# Altium PCB netv2mvp-testhat-v1-route.PCBDOC (part 1 of 2) (continued)
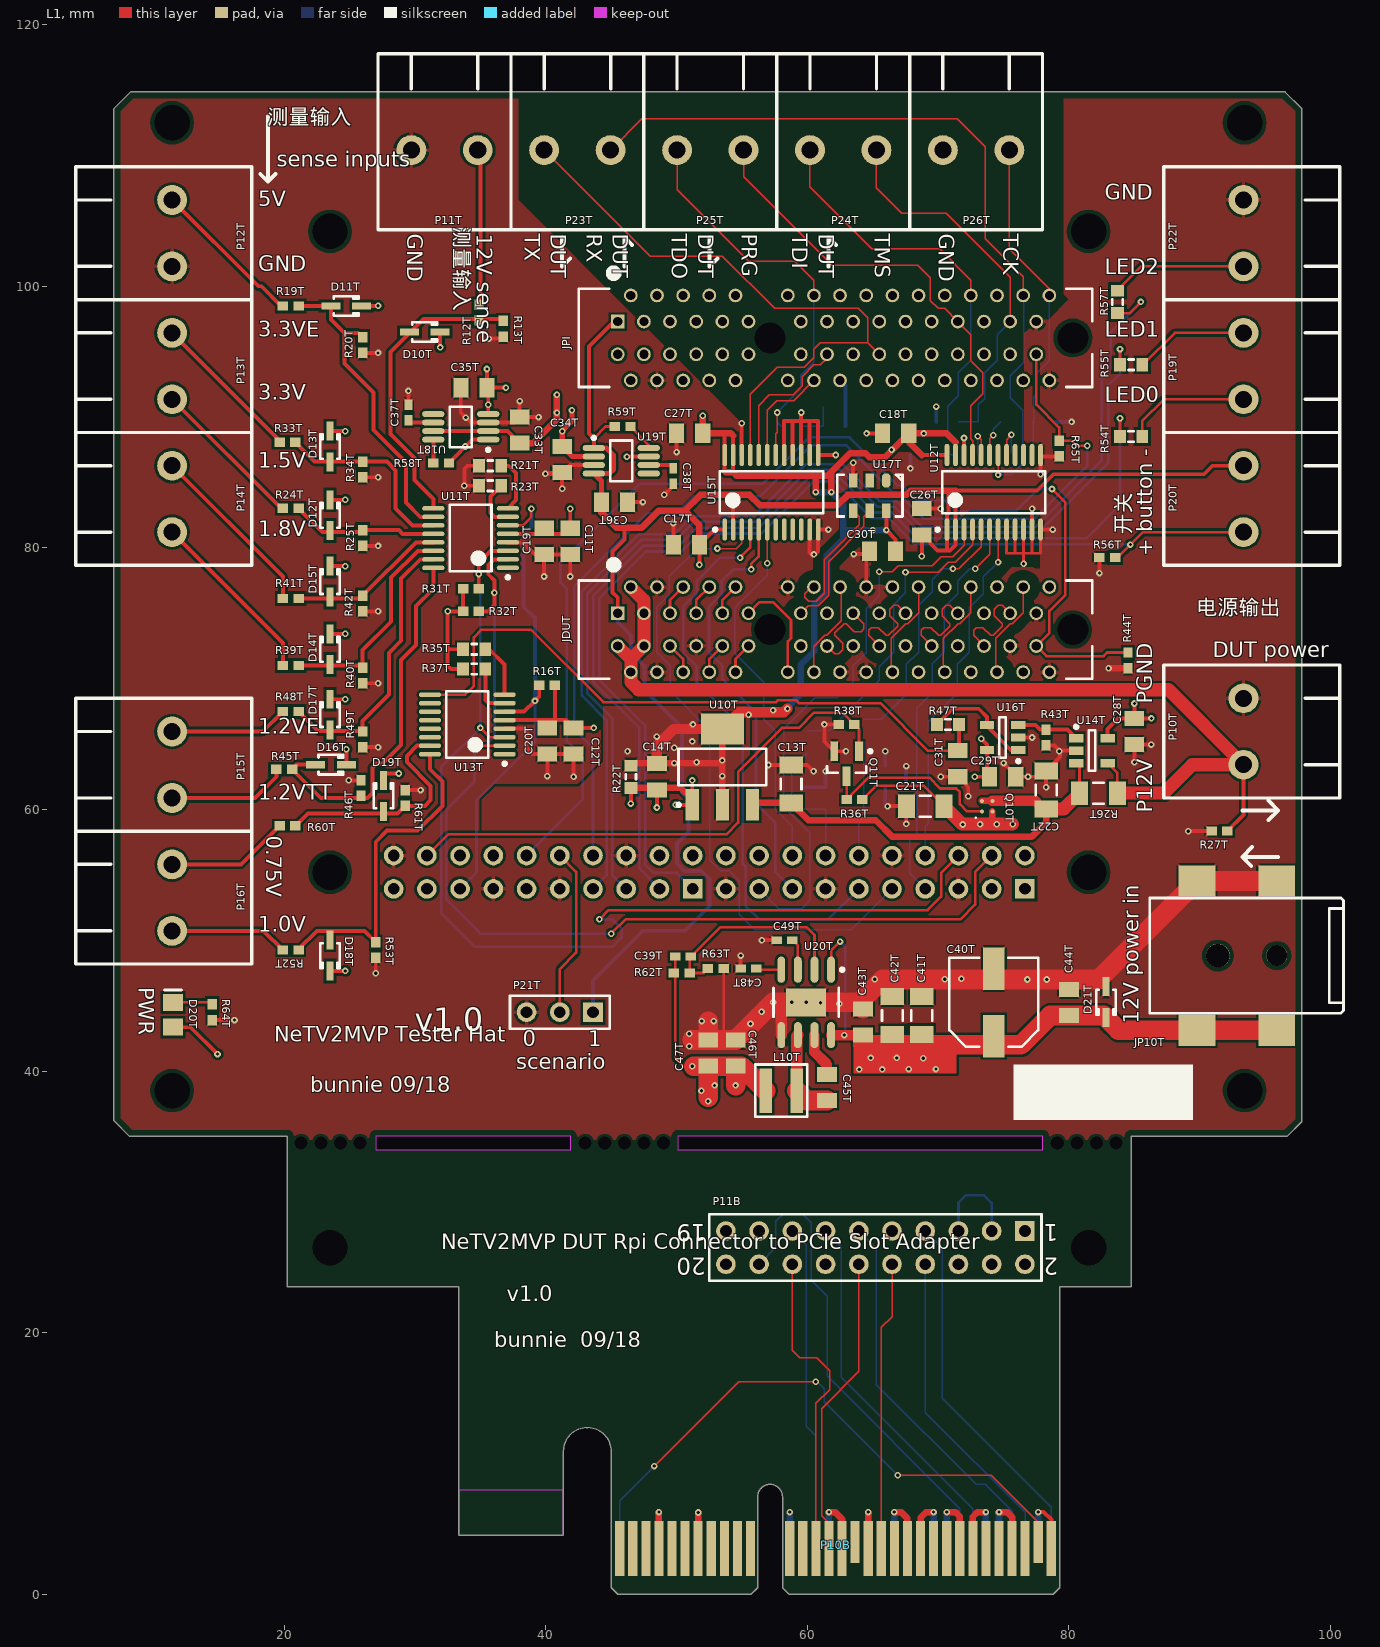
[diagram p0: L1 view]
## Components (designator, comment, footprint, x,y, rotation, side; value= is the part's Value field where it differs from the comment) (continued)
JPI "87715-9106" BTB1-00-2V64 45.5,97.3 r0 top
L10T "3.3uH SRP4030FA-3R3M" COILCRAFT_XEL4030 58,38.5 r180 top
P10B "PCIeX4-GF-2D-1000-1K-O64" PCIeX4-GF-2D-1000-1K-O64 55.15,3.5 r0 top locked
P10T "1716060000" weidmuller_1716060000 93.345,63.42 r90 top
P11B "Male 10x2 2.54mm header" HDR2X10 76.63,27.77 r180 top
P11T "1716060000" weidmuller_1716060000 34.798,110.41 r180 top
P12T "1716060000" weidmuller_1716060000 11.43,106.6 r270 top
P13T "1716060000" weidmuller_1716060000 11.43,96.44 r270 top
P14T "1716060000" weidmuller_1716060000 11.43,86.28 r270 top
P15T "1716060000" weidmuller_1716060000 11.43,65.96 r270 top
P16T "1716060000" weidmuller_1716060000 11.43,55.8 r270 top
P17T "Female 10x2 2.54mm header" HDR2X10 51.23,53.93 r180 bottom
P18T "Female 10x2 2.54mm header" HDR2X10 76.63,53.93 r180 bottom locked
P19T "1716060000" weidmuller_1716060000 93.345,91.36 r90 top
P20T "1716060000" weidmuller_1716060000 93.345,81.2 r90 top
P21T "Male 3x2.54mm header" HDR1X3 43.61,44.5 r180 top
P22T "1716060000" weidmuller_1716060000 93.345,101.52 r90 top
P23T "1716060000" weidmuller_1716060000 44.958,110.41 r180 top
P24T "1716060000" weidmuller_1716060000 65.278,110.41 r180 top
P25T "1716060000" weidmuller_1716060000 55.118,110.41 r180 top
P26T "1716060000" weidmuller_1716060000 75.438,110.41 r180 top
Q10T "Si8425DB" VISHAY_MICRO_FOOT_4_BUMP 73.75,60.25 r90 top
Q11T "BSS138" SOT23-3N 63,63.5 r270 top
R10T "0 ohm" RESC1608N 69.25,65.15 r90 bottom
R11T "75 ohm" RESC1608N 68.4,60 r0 bottom
R12T "10k, 1%" RESC1005N 34.9,98 r270 top
R13T "100k, 1%" RESC1005N 36.75,96.75 r270 top
R14T "0 ohm" RESC1608N 60,65.15 r90 bottom
R15T "0 ohm" RESC1608N 64.3,66.05 r90 bottom
R16T "10k, 1%" RESC1005N 40.1,69.5 r0 top
R17T "75 ohm" RESC1608N 61.39,60.85 r270 bottom
R18T "75 ohm" RESC1608N 65.1,63.35 r180 bottom
R19T "10k, 1%" RESC1005N 20.5,98.5 r0 top
R20T "33k, 1%" RESC1005N 26,95.5 r270 top
R21T "0 ohm" RESC1608N 35.75,86.28 r180 top
R22T "1k, 1%" RESC1608N 46.5,62.5 r270 top value=100k
R23T "0 ohm" RESC1608N 35.75,84.75 r180 top
R24T "10k, 1%" RESC1005N 20.5,83.025 r0 top
R25T "10k, 1%" RESC1005N 26,80.75 r270 top
R26T "470 mOhm 1%" RESC3216N 82.25,61.25 r0 top
R27T "100k, 1%" RESC1005N 91.5,58.34 r180 top
R28T "75 ohm" RESC1608N 72.175,87.1 r0 bottom
R29T "75 ohm" RESC1608N 73.925,89.625 r0 bottom
R30T "75 ohm" RESC1608N 76.425,87.225 r180 bottom
R31T "DNP" RESC1005N 34.275,76.875 r180 top
R32T "DNP" RESC1005N 34.275,75.15 r180 top
R33T "10k, 1%" RESC1005N 20.25,88.07 r0 top
R34T "10k, 1%" RESC1005N 26,86 r270 top
R35T "0 ohm" RESC1608N 34.525,72.25 r180 top
R36T "100k, 1%" RESC1005N 63.6,60.75 r0 top
R37T "0 ohm" RESC1608N 34.525,70.75 r180 top
R38T "100k, 1%" RESC1005N 63,66.5 r180 top
R39T "10k, 1%" RESC1005N 20.5,71 r0 top
R40T "DNP" RESC1005N 26,70.25 r270 top
R41T "10k, 1%" RESC1005N 20.5,76.12 r0 top
R42T "DNP" RESC1005N 26,75.75 r270 top
R43T "16.2k, 1%" RESC1005N 78.25,65.5 r270 top
R44T "10k, 1%" RESC1005N 84.5,71.4 r270 top
R45T "10k, 1%" RESC1005N 20,63.075 r0 top
R46T "DNP" RESC1005N 25.88,61.65 r90 top
R47T "0 ohm" RESC1608N 70.75,66.5 r0 top
R48T "10k, 1%" RESC1005N 20.5,67.5 r0 top
R49T "DNP" RESC1005N 26,65.36 r270 top
R50T "0 ohm" RESC1608N 58.85,89.3 r180 bottom
R51T "75 ohm" RESC1608N 62.05,89.3 r180 bottom
R52T "10k, 1%" RESC1005N 20.5,49.25 r0 top
R53T "DNP" RESC1005N 27,49.25 r270 top
R54T "220 ohm" RESC1608N 84.75,88.525 r180 top
R55T "220 ohm" RESC1608N 84.75,94 r180 top
R56T "10k, 1%" RESC1005N 82.925,79.25 r180 top
R57T "220 ohm" RESC1608N 83.7,98.8 r270 top
R58T "100k, 1%" RESC1005N 32,86.5 r0 top
R59T "100k, 1%" RESC1005N 45.875,89.275 r180 top
R60T "10k, 1%" RESC1005N 20.25,58.75 r0 top
R61T "DNP" RESC1005N 29.25,60.88 r90 top
R62T "124k, 1%" RESC1005N 50.4,47.5 r180 top
R63T "22.1k, 1%" RESC1005N 53,47.83 r180 top
R64T "3.3k, 1%" RESC1005N 14.5,44.5 r270 top value=100k
R65T "10k, 1%" RESC1005N 79.25,87.6 r90 top
U10T "LM1117MP-3.3" MP04A_N 53.5,63.25 r90 top
U11T "ADC128D818CIMT/NOPB" MTC16_N 34.25,80.75 r180 top
U12T "SN74LVC8T245PWR" TSOP65P640-24AN 74.25,84.25 r90 top
U13T "ADC128D818CIMT/NOPB" MTC16_N 34,66.5 r180 top
U14T "INA138NA/250" SOT23-5AN 81.75,64.5 r0 top
U15T "SN74LVC8T245PWR" TSOP65P640-24AN 57.25,84.25 r90 top
U16T "OPA320AIDBVT" TI-DBV5_N 74.93,65.5 r180 top
U17T "Abracon ASFLMPHC-100.000MHZ-L-T" ABRACON_ASFLMP_HC 64.77,84 r180 top
U18T "LP3982IMM-3.3/NOPB" MUA08A_N 33.5,89.25 r180 top
U19T "LP3982IMM-3.3/NOPB" MUA08A_N 45.771,86.655 r0 top
U20T "TPS54327DDA" SOIC127P600-8DN 59.905,45.25 r270 top

## Footprints (in the part's own frame and the unit in brackets; to place one, negate y for a bottom-side part, rotate by r counter-clockwise, add the part's x,y. Pads: shape width x height; smd on the part's side, far side on the other; paste and mask are expansions set on the pad)
ABRACON_ASFLMP_HC [mm] "Abracon Differential Oscillator"
  oct 0.64x1.1 smd: 1(-1.27,-1.15)
  rect 0.64x1.1 smd: 2(0,-1.15) 3(1.27,-1.15) 4(1.27,1.15) 5(0,1.15) 6(-1.27,1.15)
  silkscreen extent -2.5,-1.6 2.5,1.6, body extent -2.5,-1.6 2.5,1.6, height 0.85
BTB1-00-2V64 [mm] "Board-to-Board Connector, PTH, Vertical, Pitch 1.00mm, 64-Position"
  rect 1.05x1.05 hole 0.7: A1(0,0)
  round 1.05 hole 0.7: A2(1,2) A3(2,0) A4(3,2) A5(4,0) A6(5,2) A7(6,0) A8(7,2) A9(8,0) A10(9,2) A11(10,0) A12(13,2) A13(14,0) A14(15,2) A15(16,0) A16(17,2) A17(18,0) A18(19,2) A19(20,0) A20(21,2) A21(22,0) A22(23,2) A23(24,0) A24(25,2) A25(26,0) A26(27,2) A27(28,0) A28(29,2) A29(30,0) A30(31,2) A31(32,0) A32(33,2) B1(0,-2.5) B2(1,-4.5) B3(2,-2.5) B4(3,-4.5) B5(4,-2.5) B6(5,-4.5) B7(6,-2.5) B8(7,-4.5) B9(8,-2.5) B10(9,-4.5) B11(10,-2.5) B12(13,-4.5) B13(14,-2.5) B14(15,-4.5) B15(16,-2.5) B16(17,-4.5) B17(18,-2.5) B18(19,-4.5) B19(20,-2.5) B20(21,-4.5) B21(22,-2.5) B22(23,-4.5) B23(24,-2.5) B24(25,-4.5) B25(26,-2.5) B26(27,-4.5) B27(28,-2.5) B28(29,-4.5) B29(30,-2.5) B30(31,-4.5) B31(32,-2.5) B32(33,-4.5)
  round 2.05 hole 2.35 unplated: MH1(11.65,-1.25) MH2(34.8,-1.25)
  silkscreen extent -2.98,-5 36.27,4, body extent -2.88,-6.35 36.15,2.5, height 11.25
CAPAE7066X61N [mm] "Aluminum Electrolytic Capacitor, Body 6.3mm dia, 5.8mm height, IPC Medium Density"
  rect 3.25x1.65 smd: 1(-2.575,0) 2(2.575,0)
  silkscreen extent -3.4,-3.4 3.4,3.4, body extent -3.4,-3.4 3.4,3.4, height 6.1
CAPC1005N [mm] "Chip Capacitor, Body 1.0x0.5mm, IPC Medium Density"
  rect 0.8x0.6 smd: 1(-0.6,0) 2(0.6,0)
  body extent -0.55,-0.3 0.55,0.3, height 0.6
CAPC2012N [mm] "Chip Capacitor, Body 2.0x1.3mm, IPC Medium Density"
  rect 1.15x1.5 smd: 1(-1,0) 2(1,0)
  body extent -1.1,-0.72 1.1,0.72, height 1.1
CAPC3216N [mm] "Chip Capacitor, Body 3.2x1.6mm, IPC Medium Density"
  rect 1.3x1.8 smd: 1(-1.45,0) 2(1.45,0)
  silkscreen extent -0.4,-0.8 0.4,0.8, body extent -1.7,-0.9 1.7,0.9, height 1.35
CD2012-0805 [mm] "Chip Diode; Body 2.0 x 1.3 mm (LxW typ)"
  rect 1.3x1.5 smd: 1(-0.95,0) 2(0.95,0)
  silkscreen extent 1.9,-0.65 1.9,0.65
COILCRAFT_XEL4030 [mm] "Coilcraft XEL4030"
  rect 0.98x3.4 smd: 1(-1.185,0) 2(1.185,0)
  silkscreen extent -2,-2 2,2, body extent -2,-2 2,2, height 3.1
CUI_PJ_002AH_SMT [mm] "SMT 2.1mmx5.5mm ID (P-5) connector"
  round 1.6 hole 1.6 unplated: 0(-4.5,0)
  round 1.8 hole 1.8 unplated: 0(0,0)
  rect 2.8x2.4 smd: 1(-4.5,5.7) 1(1.6,5.7) 2(-4.5,-5.7) 3(1.6,-5.7)
  silkscreen extent -9.6,-4.4 5.2,4.4, body extent -9.5,-6.3 5.3,6.3, height 11.19
HDR1X3 [mm] "Connector; Header; 3 Position"
  rect 1.5x1.5 hole 0.9: 1(0,0)
  round 1.5 hole 0.9: 2(2.54,0) 3(5.08,0)
  silkscreen extent -1.27,-1.27 6.35,1.27
HDR2X10 [mm] "Connector; Header; 10x2 Position"
  rect 1.5x1.5 hole 0.9: 1(0,0)
  round 1.5 hole 0.9: 2(0,2.54) 3(2.54,0) 4(2.54,2.54) 5(5.08,0) 6(5.08,2.54) 7(7.62,0) 8(7.62,2.54) 9(10.16,0) 10(10.16,2.54) 11(12.7,0) 12(12.7,2.54) 13(15.24,0) 14(15.24,2.54) 15(17.78,0) 16(17.78,2.54) 17(20.32,0) 18(20.32,2.54) 19(22.86,0) 20(22.86,2.54)
  silkscreen extent -1.27,-1.27 24.13,3.81
MP04A_N [mm] "SOT223, 4-Leads, Body 6.5x3.5mm, Pitch 2.3mm, Lead Span 7mm, IPC Medium Density"
  rect 2.4x1 smd: 1(-2.9,2.3) 2(-2.9,0) 3(-2.9,-2.3)
  rect 2.4x3.3 smd: 4(2.9,0)
  silkscreen extent -3.02,-3.35 1.4,3.47, body extent -1.86,-3.35 1.86,3.35, height 1.8
MTC16_N [mm] "TSOP, 16-Leads, Body 5x4.4mm, Pitch 0.65mm, IPC Medium Density"
  oval 1.7x0.35 smd: 1(-2.85,2.275) 2(-2.85,1.625) 3(-2.85,0.975) 4(-2.85,0.325) 5(-2.85,-0.325) 6(-2.85,-0.975) 7(-2.85,-1.625) 8(-2.85,-2.275) 9(2.85,-2.275) 10(2.85,-1.625) 11(2.85,-0.975) 12(2.85,-0.325) 13(2.85,0.325) 14(2.85,0.975) 15(2.85,1.625) 16(2.85,2.275)
  silkscreen extent -2.98,-2.55 1.6,3.12, body extent -2.25,-2.55 2.25,2.55, height 1.1
MUA08A_N [mm] "TSOP, 8-Leads, Body 3x3mm, Pitch 0.65mm, IPC Medium Density"
  oval 1.7x0.45 smd: 1(-2.1,0.975) 2(-2.1,0.325) 3(-2.1,-0.325) 4(-2.1,-0.975) 5(2.1,-0.975) 6(2.1,-0.325) 7(2.1,0.325) 8(2.1,0.975)
  silkscreen extent -2.23,-1.55 0.85,1.87, body extent -1.55,-1.55 1.55,1.55, height 1.09
PCIeX4-GF-2D-1000-1K-O64 [mm] "Golden finger, PCIeX4, Dual, Opposite, Pitch 1mm, 64-Position"
  rect 0.7x3.2 smd far side: A1(-9.5,0.5)
  rect 0.7x4.2 smd far side: A2(-8.5,0) A3(-7.5,0) A4(-6.5,0) A5(-5.5,0) A6(-4.5,0) A7(-3.5,0) A8(-2.5,0) A9(-1.5,0) A10(-0.5,0) A11(0.5,0) A12(3.5,0) A13(4.5,0) A14(5.5,0) A15(6.5,0) A16(7.5,0) A17(8.5,0) A18(9.5,0) A19(10.5,0) A20(11.5,0) A21(12.5,0) A22(13.5,0) A23(14.5,0) A24(15.5,0) A25(16.5,0) A26(17.5,0) A27(18.5,0) A28(19.5,0) A29(20.5,0) A30(21.5,0) A31(22.5,0) A32(23.5,0)
  rect 0.7x4.2 smd: B1(-9.5,0) B2(-8.5,0) B3(-7.5,0) B4(-6.5,0) B5(-5.5,0) B6(-4.5,0) B7(-3.5,0) B8(-2.5,0) B9(-1.5,0) B10(-0.5,0) B11(0.5,0) B12(3.5,0) B13(4.5,0) B14(5.5,0) B15(6.5,0) B16(7.5,0) B18(9.5,0) B19(10.5,0) B20(11.5,0) B21(12.5,0) B22(13.5,0) B23(14.5,0) B24(15.5,0) B25(16.5,0) B26(17.5,0) B27(18.5,0) B28(19.5,0) B29(20.5,0) B30(21.5,0) B32(23.5,0)
  rect 0.7x3.2 smd: B17(8.5,0.5) B31(22.5,0.5)
RESC1005N [mm] "Chip Resistor, Body 1.1x0.5mm, IPC Medium Density"
  rect 0.8x0.7 smd: 1(-0.6,0) 2(0.6,0)
  body extent -0.55,-0.3 0.55,0.3, height 0.4
RESC1608N [mm] "Chip Resistor, Body 1.6x0.8mm, IPC Medium Density"
  rect 0.9x1 smd: 1(-0.85,0) 2(0.85,0)
  silkscreen extent -0.2,-0.4 0.2,0.4, body extent -0.85,-0.48 0.85,0.48, height 0.6
RESC3216N [mm] "Chip Resistor, Body 3.2x1.6mm, IPC Medium Density"
  rect 1.3x1.8 smd: 1(-1.45,0) 2(1.45,0)
  silkscreen extent -0.4,-0.8 0.4,0.8, body extent -1.68,-0.87 1.68,0.87, height 0.71
SOD-323 [mm] "SOD-323/SC-76; 2 Leads; Body 1.7 x 1.3 mm, (LxW)"
  rect 1.45x0.55 smd: 1(1.175,0) 2(-1.175,0)
  silkscreen extent -0.95,-0.75 0.95,0.75
SOIC127P600-8DN [mm] "8-Pin Small Outline Integrated Circuit 1.27 mm Pitch"
  oval 2x0.6 smd: 1(-2.5,1.905) 2(-2.5,0.635) 3(-2.5,-0.635) 4(-2.5,-1.905) 5(2.5,-1.905) 6(2.5,-0.635) 7(2.5,0.635) 8(2.5,1.905)
  rect 2.15x3.05 smd: 9(0,0)
  silkscreen extent -2.62,-2.5 1.1,2.88, body extent -2,-2.5 2,2.5, height 1.55
SOT23-3N [mm] "SOT23, 3-Leads, Body 2.9x1.3mm, Pitch 0.95mm, Lead Span 2.5mm, IPC Medium Density"
  rect 1.5x0.6 smd: 1(-0.95,0.95) 2(-0.95,-0.95) 3(0.95,0)
  silkscreen extent -1.07,-1.5 0.7,1.93, body extent -0.7,-1.5 0.7,1.5, height 1.1
SOT23-5AN [mm] "SOT23, 5-Leads, Body 2.9x1.6mm, Pitch 0.95mm, Lead Span 2.8mm, IPC Medium Density"
  rect 1.1x0.65 smd mask+0.075: 1(-1.2,0.95) 2(-1.2,0) 3(-1.2,-0.95) 4(1.2,-0.95) 5(1.2,0.95)
  silkscreen extent -1.32,-1.55 0.25,1.95, body extent -0.9,-1.55 0.9,1.55, height 1.45
TI-DBV5_N [mm] "SOT23, 5-Leads, Body 2.9x1.6mm, Pitch 0.95mm, IPC Medium Density"
  rect 1.1x0.6 smd: 1(-1.2,0.95) 2(-1.2,0) 3(-1.2,-0.95) 4(1.2,-0.95) 5(1.2,0.95)
  silkscreen extent -1.33,-1.55 0.25,1.92, body extent -0.87,-1.52 0.87,1.53, height 1.45
TSOP65P640-24AN [mm] "TSOP, 24-Leads, Body 7.8x4.4mm, Pitch 0.65mm, IPC Medium Density"
  oval 1.7x0.35 smd: 1(-2.85,3.575) 2(-2.85,2.925) 3(-2.85,2.275) 4(-2.85,1.625) 5(-2.85,0.975) 6(-2.85,0.325) 7(-2.85,-0.325) 8(-2.85,-0.975) 9(-2.85,-1.625) 10(-2.85,-2.275) 11(-2.85,-2.925) 12(-2.85,-3.575) 13(2.85,-3.575) 14(2.85,-2.925) 15(2.85,-2.275) 16(2.85,-1.625) 17(2.85,-0.975) 18(2.85,-0.325) 19(2.85,0.325) 20(2.85,0.975) 21(2.85,1.625) 22(2.85,2.275) 23(2.85,2.925) 24(2.85,3.575)
  silkscreen extent -2.97,-3.95 1.6,4.42, body extent -2.25,-3.95 2.25,3.95, height 1.1
VISHAY_MICRO_FOOT_4_BUMP [mm] "BGA, 4-Leads, Body 1.56x1.56mmx0.60mm, Pitch 0.80mm"
  round 0.31 smd mask+0.07: 1(-0.4,0.4) 2(0.4,0.4) 3(0.4,-0.4) 4(-0.4,-0.4)
  silkscreen extent -0.93,0.83 -0.84,0.93, body extent -0.78,-0.78 0.78,0.78, height 0.6
weidmuller_1716060000 [mil]
  round 90 hole 51.18: 1(0,0) 2(200,0)
  silkscreen extent -100,-290 300,240

## Part data
C10T C15T C16T C23T C24T C25T C32T R10T R11T R12T R13T R14T R15T R16T R17T R18T R19T R20T R21T R22T R23T R24T R25T R27T R28T R29T R30T R31T R32T R33T R34T R35T R36T R37T R38T R39T R40T R41T R42T R43T R44T R45T R46T R47T R48T R49T R50T R51T R52T R53T R54T R55T R56T R57T R58T R59T R60T R61T R62T R63T R65T: library part Res1, "Resistor", MPN=ANY, VENDOR=ANY
  C10T C15T C16T C23T C24T C25T C32T R31T R32T R40T R42T R46T R49T R53T R61T: MYPN=DNP
  R10T R14T R15T R21T R23T R35T R37T R47T R50T: MYPN=R-0R0-1P-1_16W-0603
  R11T R17T R18T R28T R29T R30T R51T: MYPN=R-750-1P-1_16W-0603
  R12T R19T R24T R25T R33T R34T R39T R41T R44T R45T R48T R52T R56T R60T R65T: MYPN=R-103-1P-1_16W-0402
  R13T R27T R36T R38T R58T R59T: MYPN=R-104-1P-1_16W-0402
  R16T R20T: MYPN=R-333-1P-1_16W-0402
  R22T: LatestRevisionDate=17-Jul-2002, LatestRevisionNote="Re-released for DXP Platform.", MYPN=R-102-1P-1_16W-0402, PackageReference=AXIAL-0.3, Published=8-Jun-2000, Publisher="Altium Limited"
  R43T: MYPN=R-1622-1P-1_16W-0402
  R54T R55T R57T: MYPN=R-221-1P-1_16W-0603
  R62T: MYPN=R-1243-1P-1_16W-0402
  R63T: MYPN=R-2212-1P-1_16W-0402
C11T C17T C18T C19T C26T C27T C28T C29T C30T C43T C44T C45T: library part "Cap Semi", "Capacitor (Semiconductor SIM Model)", MPN=CL21B104KBCNNWC, MYPN=C-104-50-X7R-0805, VENDOR=Samsung
C12T C14T C20T C33T C34T C35T C36T: library part "Cap Semi", "Capacitor (Semiconductor SIM Model)", MPN=CL21A106KPCLQNC, MYPN=C-106-10-X5R-0805, VENDOR=Samsung
C13T C21T C22T C41T C42T: library part "Cap Semi", "Capacitor (Semiconductor SIM Model)", MPN=CL31A106KBHNNNE, MYPN=C-106-50-X5R-1206, VENDOR=Samsung
C31T: library part "Cap Semi", "Capacitor (Semiconductor SIM Model)", MPN=DNP, MYPN=DNP, VENDOR=None
C37T C38T: library part "Cap Semi", "Capacitor (Semiconductor SIM Model)", MPN=CL05B333KO5NNNC, MYPN=C-333-16-X7R-0402, VENDOR=Samsung
C39T: library part "Cap Semi", "Capacitor (Semiconductor SIM Model)", MPN=GCM1555C1H100JA16D, MYPN=C-100-50-NP0-0402, VENDOR=Murata
C40T: library part "Cap Pol1", "Polarized Capacitor (Radial)", MPN=UCL1E470MCL1GS, MYPN=C-476-25-UCL-6.3x5.8, VENDOR=Nichicon
C46T C47T: library part "Cap Semi", "Capacitor (Semiconductor SIM Model)", MPN=GRM21BR61A226ME51L, LatestRevisionDate=17-Jul-2002, LatestRevisionNote="Re-released for DXP Platform.", MFG=Murata, MYPN=C-226-10-X5R-0805, PackageReference=C1206, Published=8-Jun-2000, Publisher="Altium Limited"
C48T: library part "Cap Semi", "Capacitor (Semiconductor SIM Model)", MPN=CL05B332KA5NNNC, MYPN=C-332-25-X7R-0402, VENDOR=Samsung
C49T: library part "Cap Semi", "Capacitor (Semiconductor SIM Model)", MPN=ANY, MYPN=C-105-6p3-X5R-0402, VENDOR=ANY
D10T D11T D12T D13T D14T D15T D16T D17T D18T D19T: library part "D Schottky", "Schottky Diode", MPN=NSR0530H-D, MYPN=D-S-0p5-30-0p37-SOD323, Revision="July-2002: Re-released for DXP Platform.", VENDOR="Semtech HK LTD"
D20T: library part LED2, "Typical RED, GREEN, YELLOW, AMBER GaAs LED", MPN=CB-2012QWC-P8, MYPN=D-LED-WHITE1-0805, VENDOR=CITYBRIGHT
D21T: library part BIDIR_ESD, "Bidirectional zener diode, Vz 17.1V nom", MPN=PESD24VS1UA,115, MYPN=U-PESD24VL1BA,115, VENDOR=NXP
JDUT JPI: library part CMP-0001-00127-1, "Board-to-Board Connector, PTH, Vertical, Pitch 1.00mm, 64-Position", MPN=0877159106, Package Reference=BTB1-00-2V64, ClassName="Board Template Connector", Datasheet Version=Jul-2007, Mating Connector=PCIeX4-GF-2D-1000-1K-O64, MYPN=J-PCIEx4-F, Publisher=Altium
  JDUT: VENDOR=Molex
  JPI: VENDOR=MOLEX
JP10T: library part PWR2.5, "Low Voltage Power Supply Connector", MPN=DC-480-2.0A-SMT, Datasheet="Latest Revision: 09-May-2002", MYPN=J-PJ-002AH-SMT-TR, Published=17-Dec-2003, Publisher="Altium Limited", VENDOR=KAWEEI
L10T: library part "Inductor Iron", "Magnetic-Core Inductor", MPN=XEL4030-332ME_, MYPN=L-XEL4030-332ME_, VENDOR=COILCRAFT
P10B: library part CMP-0001-00031-1, "Golden finger, PCIeX4, Dual, Opposite, Pitch 1mm, 64-Position", ClassName="Edge Connector", Datasheet Version="rev2.0, Apr-2007", Mating Connector=Molex-87715-9106, Package Reference=PCIeX4-GF-2D-1000-1K-O64, Publisher=Altium
P10T P11T P12T P13T P14T P15T P16T P19T P20T P22T P23T P24T P25T P26T: library part "Header 2", "Header, 2-Pin", LatestRevisionDate=17-Jul-2002, LatestRevisionNote="Re-released for DXP Platform.", MPN=1716060000, MYPN=J-TB-2P-5.08, Publisher="Altium Limited", VENDOR=Weidmuller
P11B: library part "Header 10X2", "Header, 10-Pin, Dual row", MPN=CP25412-020-G116-A, LatestRevisionDate=17-Jul-2002, LatestRevisionNote="Re-released for DXP Platform.", MYPN=J-2x20-2.54-MALE, Publisher="Altium Limited", VENDOR=KAWAEEI
P17T P18T: library part "Header 10X2", "Header, 10-Pin, Dual row", MPN=F201-SGP-D048-20-P4, LatestRevisionDate=17-Jul-2002, LatestRevisionNote="Re-released for DXP Platform.", MYPN=ESW-110-44-L-D, Publisher="Altium Limited", VENDOR=KAWAEEI
P21T: library part "Header 3", "Header, 3-Pin", MPN=CP25411-03G-S116-X, LatestRevisionDate=17-Jul-2002, LatestRevisionNote="Re-released for DXP Platform.", MYPN=H-M3P-2.54-1R-6MM, Publisher="Altium Limited", VENDOR=KAWEEI
Q10T: "P-channel 20V 6.2A 27mOhm @ -2.5V", MPN=Si8425DB-T1-E1, MYPN=QSi8525, VENDOR="Vishay Siliconix"
Q11T: library part MOSFET-N, "N-Channel MOSFET", MPN=BSS138LT1G, LatestRevisionDate=17-Jul-2002, LatestRevisionNote="Re-released for DXP Platform.", MYPN=Q-BSS138LT1G, PackageReference=E3, PackageVersion=1995/1996, Published=8-Jun-2000, Publisher="Altium Limited", VENDOR="ON Semiconductor"
R26T: library part Res1, "Resistor", MPN=RL1206FR-7W0R47L, MYPN=R-0R470-1P-1_4W-1206, VENDOR=Yageo
R64T: library part Res1, "Resistor", MPN=RS02U332FT, LatestRevisionDate=17-Jul-2002, LatestRevisionNote="Re-released for DXP Platform.", MYPN=R-332-1P-1_16W-0402, PackageReference=AXIAL-0.3, Published=8-Jun-2000, Publisher="Altium Limited", VENDOR=Fenghua
U10T: "800mA Low-Dropout Linear Regulator, 4-pin SOT-223", Manufacturer="National Semiconductor", PackageTopMarking=XYTT*N05A, PowerWise=N, Code_IPC=SOT223-4, Code_JEDEC=TO-261-AA, ComponentLink1Description="Manufacturer URL", ComponentLink1URL=http://www.national.com/, ComponentLink2Description="LM1117 Datasheet", ComponentLink2URL=http://www.national.com/ds/LM/LM1117.pdf, ComponentLink3Description="LM1117 Web Page", ComponentLink3URL=http://www.national.com/pf/LM/LM1117.html, ComponentLink4Description="MP04A Package Page", ComponentLink4URL=http://www.national.com/packaging/folders/mp04a.html, CompType="LDO IC", DatasheetVersion=Apr-2006, High-Reliability=Y, MPN=LM1117MP-3.3, MYPN=U-LM1117MP-3.3, PackageDescription="Molded SOT-223, 6.50 x 3.56 x 1.6mm Body, 4 Lead, 2.3mm Pitch", PackageReference=MP04A, PackageVersion="revB, Apr-2003", PartNumber=LM1117MP-3.3, PinCount=4, RoHS=N, VENDOR=TI
U11T U13T: "12-Bit, 8-Channel, ADC System Monitor with Temperature Sensor, Internal/External Reference, and I2C Interface, 16 pin TSSOP, Pb-Free", Manufacturer="National Semiconductor", PackageTopMarking=NSUZXYTT*128D818*CIMT, PowerWise=N, Code_JEDEC=MO-153-AB, ComponentLink1Description="ADC128D818 Datasheet", ComponentLink1URL=http://www.national.com/ds/AD/ADC128D818.pdf, ComponentLink2Description="ADC128D818 Web Page", ComponentLink2URL=http://www.national.com/pf/AD/ADC128D818.html, ComponentLink3Description="MTC16 Package Page", ComponentLink3URL=http://www.national.com/packaging/folders/mtc16.html, CompType="ADC IC", DatasheetVersion=Feb-2010, High-Reliability=Y, MPN=ADC128D818CIMT/NOPB, MYPN=U-ADC128D818CIMT/NOPB, PackageDescription="Molded TSSOP, Jedec, 5 x 4.4 x 0.9mm Body, 16 Lead, 0.65mm Pitch", PackageReference=MTC16, PackageVersion="revD, Jun-2003", PartNumber=ADC128D818CIMT/NOPB, PinCount=16, RoHS=Y, VENDOR=TI
U12T: "8-bit dual-supply transceiver", MPN=SN74LVC8T245PW, MYPN=U-SN74LVC8T245, VENDOR=TI
U14T: "High-side measurement current shunt monitor", MPN=INA138NA/250, MYPN=U-INA138NA/250, VENDOR=TI
U15T: "8-bit dual-supply transceiver"
U16T: "Precision, 20 MHz, 0.9 pA Ib, RRIO, CMOS Operational Amplifier, 1.8 to 5.5 V, -40 to 125 degC, 5-pin SOT23 (DBV5), Green (RoHS & no Sb/Br)", Manufacturer="Texas Instruments", Supplier Part Number 1=296-29510-2-ND, Total Supply Voltage(Max)(+5V is 5, +/-5V is 10)=5.5, Total Supply Voltage(Min)(+5V is 5, +/-5V is 10)=1.8, CMRR(Min)(dB)=100, Code_JEDEC=MO-178, ComponentLink1Description="Manufacturer URL", ComponentLink1URL=http://www.ti.com/, ComponentLink2Description=Datasheet, ComponentLink2URL=http://www.ti.com/general/docs/lit/getliterature.tsp?genericPartNumber=OPA320&fileType=pdf, ComponentLink3Description="Package Specification", ComponentLink3URL=http://www.ti.com/litv/pdf/mpds018i, DatasheetVersion=SBOS513D, Eco-Plan="Green (RoHS & no Sb/Br)", IIB(Max)(pA)=0.9, Iq per channel(Max)(mA)=1.75, Mounting Technology="Surface Mount", MPN=OPA320AIDBVT, MYPN=U-OPA320AIDBVT, Number of Channels=2, Offset Drift(Typ)(uV/C)=1.5, PackageDescription="5-Pin Plastic Small Outline, Body 1.6 x 2.9 mm, Pitch 0.95 mm", PackageReference=DBV5, PackageVersion="4073253-4/K, 03/2006", PartNumber=OPA320AIDBVT, Slew Rate(Typ)(V/us)=10, Sub Family="High Output Current Amplifier (>=50mA), Low Input Bias Current Amp (<=10pA), Low Noise Amp (<=10nV/rtHz), Low Offset Voltage Amplifier (<=500uV), Low Supply Voltage Amplifier (<=2.7V), Precision Amplifier", Supplier 1=Digi-Key, Supplier 2=Digi-Key, Supplier 3=Digi-Key, Supplier 4=Farnell, Supplier 5=Newark, Supplier 6=Newark, Supplier 7=Mouser, Supplier Part Number 2=296-29510-1-ND, Supplier Part Number 3=296-29510-6-ND, Supplier Part Number 4=2057093, Supplier Part Number 5=64T3763, Supplier Part Number 6=64T3764, Supplier Part Number 7=595-OPA320AIDBVT, VENDOR=TI, Vio (25C)(Max)(mV)=0.15, Vn at 1kHz(Typ)(nV/rtHz)=8.5
U17T: library part HCSL-OSC, "Abracon Plastic Package Ultra Miniature Pure Silicon Clock Oscillator", MPN=ASFLMPHC-100.000MHZ-L-T, MYPN=X-ASFLMPHC-100MHz, VENDOR=Abracon
U18T U19T: "Micropower, Ultra Low-Dropout, Low-Noise, 300mA CMOS Regulator, 8-pin Mini SOIC, Pb-Free", Manufacturer="National Semiconductor", PackageTopMarking=ZXTT*LEUB, PowerWise=N, Code_JEDEC=MO-187-AA, ComponentLink1Description="Manufacturer URL", ComponentLink1URL=http://www.national.com/, ComponentLink2Description="LP3982 Datasheet", ComponentLink2URL=http://www.national.com/ds/LP/LP3982.pdf, ComponentLink3Description="LP3982 Web Page", ComponentLink3URL=http://www.national.com/pf/LP/LP3982.html, ComponentLink4Description="MUA08A Package Page", ComponentLink4URL=http://www.national.com/packaging/folders/mua08a.html, CompType="LDO IC", DatasheetVersion=Mar-2006, High-Reliability=Y, MPN=LP3982IMM-3.3/NOPB, MYPN=ULP3982IMM-3.3/NOPB, PackageDescription="MINI SOIC, .118 x .118 x .034in, 8 Lead, .0256in Pitch", PackageReference=MUA08A, PackageVersion="revF, Apr-2008", PartNumber=LP3982IMM-3.3/NOPB, PinCount=8, RoHS=Y, VENDOR=TI
U20T: "3-A Output Single Synchronous Step-Down Buck with Integrated FET", MPN=TPS54327DDA(R), MYPN=U-TPS54327DDA, VENDOR=TI

## Free pads (board coordinates)
  round 2.5 hole 2.7 unplated mask+1.5: 0(11.43,38.5) 0(11.43,112.5) 0(23.5,26.5) 0(23.5,55.2) 0(23.5,104.2) 0(81.5,26.5) 0(81.5,55.2) 0(93.43,38.5) 0(93.43,112.5)
  round 2.5 hole 2.7 unplated mask+1.3: 0(81.5,104.2)
  round 0.8 hole 1: 1(21.3,34.5) 1(43.01,34.5) 1(79.1,34.5) 2(22.8,34.5) 2(44.51,34.5) 2(80.6,34.5) 3(24.3,34.5) 3(46.01,34.5) 3(82.1,34.5) 4(25.8,34.5) 4(47.51,34.5) 4(48.985,34.5) 4(83.6,34.5)
  rect 2.489x0.051 on Bottom Overlay: 1(34.164,65.802) 1(34.164,65.853) 1(34.164,65.903) 1(36.45,68.189) 1(70.664,10.632) 1(70.664,10.683) 1(70.664,10.733) 1(72.95,13.019)
  rect 2.54x0.051 on Bottom Overlay: 1(34.189,65.548) 1(34.189,65.649) 1(34.189,65.7) 1(34.189,65.751) 1(34.189,65.954) 1(34.189,66.056) 1(34.189,66.107) 1(34.189,66.157) 1(34.189,65.599) 1(34.189,66.005) 1(34.291,66.361) 1(38.609,66.361) 1(38.711,65.599) 1(38.711,65.649) 1(38.711,65.7) 1(38.711,65.751) 1(38.711,65.802) 1(38.711,65.853) 1(38.711,65.903) 1(38.711,65.954) 1(38.711,66.005) 1(38.711,66.056) 1(38.711,66.107) 1(38.711,66.157) 1(70.689,10.378) 1(70.689,10.479) 1(70.689,10.53) 1(70.689,10.581) 1(70.689,10.784) 1(70.689,10.886) 1(70.689,10.937) 1(70.689,10.987) 1(70.689,10.429) 1(70.689,10.835) 1(70.791,11.191) 1(75.109,11.191) 1(75.211,10.429) 1(75.211,10.479) 1(75.211,10.53) 1(75.211,10.581) 1(75.211,10.632) 1(75.211,10.683) 1(75.211,10.733) 1(75.211,10.784) 1(75.211,10.835) 1(75.211,10.886) 1(75.211,10.937) 1(75.211,10.987)
  rect 2.591x0.051 on Bottom Overlay: 1(34.215,65.497) 1(34.215,66.208) 1(34.215,66.259) 1(34.215,66.31) 1(34.215,65.446) 1(34.266,65.395) 1(38.634,65.395) 1(38.685,65.446) 1(38.685,66.208) 1(38.685,65.497) 1(38.685,65.548) 1(38.685,66.259) 1(70.715,10.327) 1(70.715,11.038) 1(70.715,11.089) 1(70.715,11.14) 1(70.715,10.276) 1(70.766,10.225) 1(75.134,10.225) 1(75.185,10.276) 1(75.185,11.038) 1(75.185,10.327) 1(75.185,10.378) 1(75.185,11.089)
  rect 0.102x0.051 on Bottom Overlay: 1(34.291,68.647) 1(35.358,63.414) 1(37.542,63.414) 1(38.609,68.647) 1(70.791,13.477) 1(71.858,8.244) 1(74.042,8.244) 1(75.109,13.477)
  rect 0.254x0.051 on Bottom Overlay: 1(34.316,63.16) 1(34.316,68.596) 1(35.332,63.465) 1(37.568,63.465) 1(38.584,63.16) 1(38.584,68.596) 1(70.816,7.99) 1(70.816,13.426) 1(71.832,8.295) 1(74.068,8.295) 1(75.084,7.99) 1(75.084,13.426)
  rect 0.356x0.051 on Bottom Overlay: 1(34.316,63.211) 1(34.316,68.545) 1(35.282,63.516) 1(37.618,63.516) 1(38.584,68.545) 1(70.816,8.041) 1(70.816,13.375) 1(71.782,8.346) 1(74.118,8.346) 1(75.084,13.375)
  rect 0.152x0.051 on Bottom Overlay: 1(34.316,63.109) 1(38.584,63.109) 1(70.816,7.939) 1(75.084,7.939)
  rect 0.457x0.051 on Bottom Overlay: 1(34.316,68.494) 1(70.816,13.324)
  rect 0.508x0.051 on Bottom Overlay: 1(34.342,63.262) 1(38.558,63.262) 1(38.558,68.494) 1(70.842,8.092) 1(75.058,8.092) 1(75.058,13.324)
  rect 0.61x0.051 on Bottom Overlay: 1(34.342,63.313) 1(34.342,68.443) 1(38.558,68.443) 1(70.842,8.143) 1(70.842,13.273) 1(75.058,13.273)
  rect 0.711x0.051 on Bottom Overlay: 1(34.342,68.393) 1(70.842,13.223)
  rect 0.762x0.051 on Bottom Overlay: 1(34.367,63.363) 1(38.533,63.363) 1(38.533,68.393) 1(70.867,8.193) 1(75.033,8.193) 1(75.033,13.223)
  rect 0.864x0.051 on Bottom Overlay: 1(34.367,63.414) 1(34.367,68.342) 1(36.45,69.409) 1(38.533,63.414) 1(38.533,68.342) 1(70.867,8.244) 1(70.867,13.172) 1(72.95,14.239) 1(75.033,8.244) 1(75.033,13.172)
  rect 0.965x0.051 on Bottom Overlay: 1(34.367,68.291) 1(36.45,69.256) 1(36.45,69.307) 1(36.45,69.358) 1(38.533,68.291) 1(70.867,13.121) 1(72.95,14.086) 1(72.95,14.137) 1(72.95,14.188) 1(75.033,13.121)
  rect 1.016x0.051 on Bottom Overlay: 1(34.393,63.465) 1(36.425,69.205) 1(38.507,63.465) 1(70.893,8.295) 1(72.925,14.035) 1(75.007,8.295)
  rect 2.337x0.051 on Bottom Overlay: 1(34.393,65.345) 1(35.155,66.869) 1(38.507,65.345) 1(70.893,10.175) 1(71.655,11.699) 1(75.007,10.175)
  rect 1.219x0.051 on Bottom Overlay: 1(34.393,68.189) 1(36.425,68.647) 1(38.507,68.189) 1(70.893,13.019) 1(72.925,13.477) 1(75.007,13.019)
  rect 1.118x0.051 on Bottom Overlay: 1(34.393,68.24) 1(34.393,63.516) 1(36.425,68.901) 1(38.507,68.24) 1(38.507,63.516) 1(70.893,13.07) 1(70.893,8.346) 1(72.925,13.731) 1(75.007,13.07) 1(75.007,8.346)
  rect 2.286x0.051 on Bottom Overlay: 1(34.418,66.411) 1(37.72,66.869) 1(38.431,66.411) 1(70.918,11.241) 1(74.22,11.699) 1(74.931,11.241)
  rect 2.134x0.051 on Bottom Overlay: 1(34.545,65.294) 1(35.053,66.818) 1(37.847,66.818) 1(38.355,65.294) 1(71.045,10.124) 1(71.553,11.648) 1(74.347,11.648) 1(74.855,10.124)
  rect 1.829x0.051 on Bottom Overlay: 1(34.596,63.668) 1(34.697,63.922) 1(34.748,64.024) 1(34.748,65.192) 1(34.748,66.513) 1(34.799,65.141) 1(34.799,66.564) 1(35.002,64.583) 1(35.002,64.633) 1(37.898,64.583) 1(37.898,64.633) 1(38.05,66.615) 1(38.101,64.075) 1(38.101,65.141) 1(38.101,65.192) 1(38.101,66.564) 1(38.152,63.973) 1(38.152,64.024) 1(38.152,66.513) 1(38.203,63.922) 1(38.304,63.668) 1(71.096,8.498) 1(71.197,8.752) 1(71.248,8.854) 1(71.248,10.022) 1(71.248,11.343) 1(71.299,9.971) 1(71.299,11.394) 1(71.502,9.413) 1(71.502,9.463) 1(74.398,9.413) 1(74.398,9.463) 1(74.55,11.445) 1(74.601,8.905) 1(74.601,9.971) 1(74.601,10.022) 1(74.601,11.394) 1(74.652,8.803) 1(74.652,8.854) 1(74.652,11.343) 1(74.703,8.752) 1(74.804,8.498)
  rect 1.93x0.051 on Bottom Overlay: 1(34.596,63.719) 1(34.901,65.04) 1(34.901,66.716) 1(35.002,64.786) 1(35.002,64.735) 1(37.898,64.735) 1(37.898,64.786) 1(37.999,66.716) 1(37.999,65.04) 1(38.05,65.091) 1(38.304,63.719) 1(71.096,8.549) 1(71.401,9.87) 1(71.401,11.546) 1(71.502,9.616) 1(71.502,9.565) 1(74.398,9.565) 1(74.398,9.616) 1(74.499,11.546) 1(74.499,9.87) 1(74.55,9.921) 1(74.804,8.549)
  rect 2.032x0.051 on Bottom Overlay: 1(34.596,66.462) 1(34.951,64.938) 1(35.002,64.837) 1(35.002,64.887) 1(37.898,64.837) 1(37.898,64.887) 1(37.898,64.938) 1(38.304,66.462) 1(71.096,11.292) 1(71.451,9.768) 1(71.502,9.667) 1(71.502,9.717) 1(74.398,9.667) 1(74.398,9.717) 1(74.398,9.768) 1(74.804,11.292)
  rect 1.778x0.051 on Bottom Overlay: 1(34.621,63.617) 1(34.774,64.075) 1(34.824,64.125) 1(34.824,64.176) 1(34.875,64.227) 1(34.926,64.329) 1(37.974,64.329) 1(38.025,64.227) 1(38.076,64.125) 1(38.076,64.176) 1(38.279,63.617) 1(71.121,8.447) 1(71.274,8.905) 1(71.324,8.955) 1(71.324,9.006) 1(71.375,9.057) 1(71.426,9.159) 1(74.474,9.159) 1(74.525,9.057) 1(74.576,8.955) 1(74.576,9.006) 1(74.779,8.447)
  rect 1.88x0.051 on Bottom Overlay: 1(34.621,63.77) 1(34.621,63.821) 1(34.672,63.871) 1(34.723,65.243) 1(34.723,63.973) 1(34.824,65.091) 1(34.824,66.615) 1(34.875,66.665) 1(34.977,64.684) 1(37.872,64.684) 1(38.025,66.665) 1(38.177,65.243) 1(38.228,63.821) 1(38.228,63.871) 1(38.279,63.77) 1(71.121,8.6) 1(71.121,8.651) 1(71.172,8.701) 1(71.223,10.073) 1(71.223,8.803) 1(71.324,9.921) 1(71.324,11.445) 1(71.375,11.495) 1(71.477,9.514) 1(74.372,9.514) 1(74.525,11.495) 1(74.677,10.073) 1(74.728,8.651) 1(74.728,8.701) 1(74.779,8.6)
  rect 1.676x0.051 on Bottom Overlay: 1(34.621,63.567) 1(34.977,64.43) 1(71.121,8.397) 1(71.477,9.26)
  rect 1.727x0.051 on Bottom Overlay: 1(34.901,64.278) 1(34.951,64.379) 1(35.002,64.481) 1(35.002,64.532) 1(36.425,68.342) 1(37.898,64.43) 1(37.898,64.481) 1(37.898,64.532) 1(37.949,64.379) 1(37.999,64.278) 1(38.253,63.567) 1(71.401,9.108) 1(71.451,9.209) 1(71.502,9.311) 1(71.502,9.362) 1(72.925,13.172) 1(74.398,9.26) 1(74.398,9.311) 1(74.398,9.362) 1(74.449,9.209) 1(74.499,9.108) 1(74.753,8.397)
  rect 1.981x0.051 on Bottom Overlay: 1(34.926,64.989) 1(34.977,66.767) 1(36.45,68.291) 1(37.923,66.767) 1(37.974,64.989) 1(71.426,9.819) 1(71.477,11.597) 1(72.95,13.121) 1(74.423,11.597) 1(74.474,9.819)
  rect 4.674x0.051 on Bottom Overlay: 1(36.425,67.326) 1(72.925,12.156)
  rect 5.08x0.051 on Bottom Overlay: 1(36.425,67.631) 1(72.925,12.461)
  rect 4.877x0.051 on Bottom Overlay: 1(36.425,67.478) 1(72.925,12.308)
  rect 1.27x0.051 on Bottom Overlay: 1(36.45,68.443) 1(36.45,68.494) 1(36.45,68.545) 1(36.45,68.596) 1(72.95,13.273) 1(72.95,13.324) 1(72.95,13.375) 1(72.95,13.426)
  rect 4.826x0.051 on Bottom Overlay: 1(36.45,66.919) 1(36.45,66.97) 1(36.45,67.427) 1(72.95,11.749) 1(72.95,11.8) 1(72.95,12.257)
  rect 4.724x0.051 on Bottom Overlay: 1(36.45,67.021) 1(36.45,67.377) 1(36.45,67.072) 1(72.95,11.851) 1(72.95,12.207) 1(72.95,11.902)
  rect 4.623x0.051 on Bottom Overlay: 1(36.45,67.173) 1(36.45,67.224) 1(36.45,67.275) 1(36.45,67.123) 1(72.95,12.003) 1(72.95,12.054) 1(72.95,12.105) 1(72.95,11.953)
  rect 5.029x0.051 on Bottom Overlay: 1(36.45,67.58) 1(72.95,12.41)
  rect 5.131x0.051 on Bottom Overlay: 1(36.45,67.681) 1(72.95,12.511)
  rect 5.232x0.051 on Bottom Overlay: 1(36.45,67.732) 1(72.95,12.562)
  rect 5.334x0.051 on Bottom Overlay: 1(36.45,67.783) 1(36.45,67.834) 1(72.95,12.613) 1(72.95,12.664)
  rect 5.537x0.051 on Bottom Overlay: 1(36.45,67.935) 1(36.45,67.986) 1(36.45,68.088) 1(72.95,12.765) 1(72.95,12.816) 1(72.95,12.918)
  rect 5.639x0.051 on Bottom Overlay: 1(36.45,68.037) 1(72.95,12.867)
  rect 5.436x0.051 on Bottom Overlay: 1(36.45,68.139) 1(36.45,67.885) 1(72.95,12.969) 1(72.95,12.715)
  rect 1.473x0.051 on Bottom Overlay: 1(36.45,68.393) 1(72.95,13.223)
  rect 1.168x0.051 on Bottom Overlay: 1(36.45,68.697) 1(36.45,68.748) 1(36.45,68.799) 1(36.45,68.85) 1(72.95,13.527) 1(72.95,13.578) 1(72.95,13.629) 1(72.95,13.68)
  rect 1.067x0.051 on Bottom Overlay: 1(36.45,69.053) 1(36.45,69.104) 1(36.45,69.155) 1(36.45,68.951) 1(36.45,69.002) 1(72.95,13.883) 1(72.95,13.934) 1(72.95,13.985) 1(72.95,13.781) 1(72.95,13.832)
  rect 4.928x0.051 on Bottom Overlay: 1(36.45,67.529) 1(72.95,12.359)
  rect 2.184x0.051 on Bottom Overlay: 1(36.45,68.24) 1(72.95,13.07)
  rect 0.66x0.051 on Bottom Overlay: 1(38.533,63.313) 1(75.033,8.143)
  rect 0.406x0.051 on Bottom Overlay: 1(38.558,63.211) 1(75.058,8.041)
  rect 2.642x0.051 on Bottom Overlay: 1(38.66,66.31) 1(75.16,11.14)

## Via types
v1: diameter 0.5, hole 0.25, L1 to L6, 190 vias
v2: diameter 0.5, hole 0.25, L1 to L6, tented top, 5 vias

## Nets (pads, with @x,y where several pads share a name; then routed paths per layer and width w, separated by ;. In a path a pad name is that pad's centre, name@x,y a point inside that pad or via, vN(x,y) a via of type N, cw(c..) or ccw(c..) an arc to the next point about the centre after c; other vN are vias at no path point)
BB_DONE: P10B.B15 P11B.12 | length 23.1
  L1 w0.1: P10B.B15@61.65,3.5 61.65,5.45 61.1,6 61.1,14.2 63.93,17.03 P11B.12@63.93,25.23
BB_INIT: P10B.B14 P11B.16 | length 24.1
  L1 w0.1: P11B.16@58.85,25.23 58.85,18.65 59.4,18.1 60.7,18.1 61.7,17.1 61.7,15.65 60.65,14.6 P10B.B14@60.65,3.5
BB_PRESENT: JPI.B31 P17T.8 R65T.2 | length 80
  L1 w0.2: JPI.B31@77.5,94.8 77.5,90.95 79.25,89.2 R65T.2@79.25,88.2 80.2,88.2 80.6,87.8 v1(81.4,87.8)
  L6 w0.2: P17T.8@43.61,56.47 43.61,64.715 42.175,66.15 42.175,77.05 47.775,82.65 50.05,82.65 51.35,83.95 56.425,83.95 60.325,87.85 62.95,87.85 66.6,84.2 66.925,84.2 68.9,82.225 77.325,82.225 81.4,86.3 v1(81.4,87.8)
BB_PROGRAM_B: P10B.A25 P11B.18 | length 36.6
  L6 w0.1: P11B.18@56.31,25.23 57.6,26.52 57.6,28.5 58.2,29.1 59.6,29.1 60.3,28.4 60.3,24 61.5,22.8 61.5,16.7 71.65,6.55 P10B.A25@71.65,3.5
BB_PRSNT: P10B.A1 P10B.B31 | length 45.5
  L1 w0.1: v1(48.3,9.8) 54.75,16.25 v1(60.638,16.25) ; v1(66.9,9.1) 74.049,9.1 77.65,5.499 P10B.B31@77.65,4
  L6 w0.1: P10B.A1@45.65,4 45.65,7.15 v1(48.3,9.8) ; v1(60.638,16.25) 60.75,16.25 61.3,15.7 61.3,14.7 v1(66.9,9.1)
BB_RX: P10B.A30 P11B.8 | length 24.9
  L6 w0.1: P11B.8@69.01,25.23 69.01,13.89 76.65,6.25 P10B.A30@76.65,3.5
BB_TCK: P10B.A32 P11B.7 | length 28.3
  L6 w0.1: P11B.7@69.01,27.77 70.3,26.48 70.3,15 78.65,6.65 P10B.A32@78.65,3.5
BB_TDI: P10B.A26 P11B.13 | length 28.9
  L6 w0.1: P11B.13@61.39,27.77 62.6,26.56 62.6,16.6 72.65,6.55 P10B.A26@72.65,3.5
BB_TDO: P10B.A14 P11B.15 | length 25
  L6 w0.1: P11B.15@58.85,27.77 59.905,26.715 59.905,12.845 60.65,12.1 P10B.A14@60.65,3.5
BB_TMS: P10B.A29 P11B.11 | length 29.5
  L6 w0.1: P11B.11@63.93,27.77 65.278,26.422 65.278,16.022 72.9,8.4 73.6,8.4 75.65,6.35 P10B.A29@75.65,3.5
BB_TX: P10B.B19 P11B.10 | length 22.1
  L1 w0.1: P10B.B19@65.65,3.5 65.65,20.4 66.47,21.22 P11B.10@66.47,25.23
BBGND: P10B.A4 P10B.A12 P10B.A15 P10B.A18 P10B.A20 P10B.A23 P10B.A24 P10B.A27 P10B.A28 P10B.A31 P10B.B4 P10B.B7 P10B.B16 P10B.B18 P10B.B21 P10B.B22 P10B.B25 P10B.B26 P10B.B29 P10B.B32 P11B.6 P11B.9 P11B.14 P11B.20 | length 60.8
  L1 w0.3: v1(77.65,6.284) 78.066,6.284 78.65,5.7 P10B.B32@78.65,3.5
  L1 w0.5: P10B.B4@48.65,3.5 v1(48.65,6.284) ; P10B.B7@51.65,3.5 v1(51.65,6.25) ; v1(61.65,6.284) 62.116,6.284 62.65,5.75 P10B.B16@62.65,3.5 ; P10B.B18@64.65,3.5 v1(64.65,6.284) ; v1(66.65,6.284) 67.166,6.284 67.65,5.8 P10B.B21@67.65,3.5 ; P10B.B22@68.65,3.5 68.65,5.85 69.084,6.284 v1(69.65,6.284) ; v1(70.65,6.284) 71.316,6.284 71.65,5.95 P10B.B25@71.65,3.5 ; P10B.B26@72.65,3.5 72.65,5.925 73.009,6.284 v1(73.65,6.284) ; v1(74.65,6.284) 75.266,6.284 75.65,5.9 P10B.B29@75.65,3.5
  L6 w0.5: P10B.A4@48.65,3.5 v1(48.65,6.284) ; P10B.A12@58.65,3.5 v1(58.65,6.284) ; P10B.A15@61.65,3.5 v1(61.65,6.284) ; P10B.A18@64.65,3.5 v1(64.65,6.284) ; P10B.A20@66.65,3.5 v1(66.65,6.284) ; P10B.A23@69.65,3.5 v1(69.65,6.284) ; P10B.A24@70.65,3.5 v1(70.65,6.284) ; P10B.A27@73.65,3.5 v1(73.65,6.284) ; P10B.A28@74.65,3.5 v1(74.65,6.284) ; P10B.A31@77.65,3.5 v1(77.65,6.284)
BST5.0: C45T.2 U20T.7 | length 3.4
  L1 w0.8: U20T.7@60.54,42.75 60.54,41.46 61.5,40.5 C45T.2@61.5,39.75
BUTTON: P17T.1 P20T.1 R56T.1 | length 83.1
  L1 w0.2: R56T.1@83.7,79.25 v1(84.7,80.25) 85.65,81.2 P20T.1@93.345,81.2
  L6 w0.2: P17T.1@51.23,53.93 50.01,55.15 48.225,55.15 47.6,55.775 47.6,66.4 44.075,69.925 44.075,76.125 47.675,79.725 50.375,79.725 51.75,81.1 56.474,81.1 60.449,85.075 62.126,85.075 64.951,82.25 66.251,82.25 68.226,80.275 84.775,80.275 84.75,80.25 v1(84.7,80.25)
DUT_DONE: JPI.B15 U15T.20 | length 11.2
  L1 w0.1: U15T.20@56.275,87.1 56.275,90.875 57.1,91.7 58.9,91.7 59.6,92.4 59.6,93.1 60.5,94 61,94 61.5,94.5 JPI.B15@61.5,94.8
DUT_INIT: JPI.B14 U15T.19 | length 7.9
  L1 w0.1: U15T.19@56.925,87.1 56.925,90.525 57.65,91.25 58.95,91.25 JPI.B14@60.5,92.8
DUT_ON: P17T.18 Q11T.1 R38T.1 | length 42.1
  L1 w0.2: P17T.18@30.91,56.47 32.54,58.1 53.8,58.1 54.7,59 54.7,62.875 58.06,66.235 59.34,66.235 60.505,67.4 62.7,67.4 R38T.1@63.6,66.5 63.95,66.15 Q11T.1@63.95,64.45
DUT_PROG: JPI.A25 P25T.1 U12T.21 | length 35.5
  L1 w0.1: P25T.1@55.118,110.41 55.118,108.382 61.9,101.6 68.45,101.6 69.4,100.65 69.4,98.9 70,98.3 70.5,98.3 JPI.A25@71.5,97.3 72.5,96.3 72.5,94.3 73.425,93.375 73.425,91.785 72.5,90.86 72.5,88.325 72.625,88.2 U12T.21@72.625,87.1
DUT_RX: JPI.A30 P23T.1 U12T.18 | length 60.5
  L1 w0.1: P23T.1@44.958,110.41 47.348,112.8 71.475,112.8 73.6,110.675 73.6,103.62 76.5,100.72 JPI.A30@76.5,99.3 ; v1(74.575,85.575) U12T.18@74.575,87.1
  L6 w0.1: v1(74.575,85.575) 75.6,85.575 76.475,86.45 76.475,90.525 75.525,91.475 75.525,93.175 76.55,94.2 JPI.A30@76.55,99.25
DUT_TCK: R30T.2 U12T.17 | length 3.1
  L1 w0.1: U12T.17@75.225,87.1 75.225,88.275 v1(75.6,88.65)
  L6 w0.1: R30T.2@75.6,87.25 v1(75.6,88.65)